# Altium PCB Gesturelink V1.PcbDoc (part 4 of 9)
Units mil, origin at the board's own origin, x right, y up, seen from the top; angles counter-clockwise.
Board outline 1574.8 x 1377.95 mil, 12 copper layers (SIG_1, GND_1, HI_SPEED_SIG_1, HI_SPEED_SIG_2, GND_2, PWR_1, PWR_2, GND_3, SIG_2, SIG_3, GND, SIG_4), stack 76.312 mil thick; 506 components, 440 nets, 2250 pads, 1330 vias.
Unrouted connection lines stored in the file: 20.
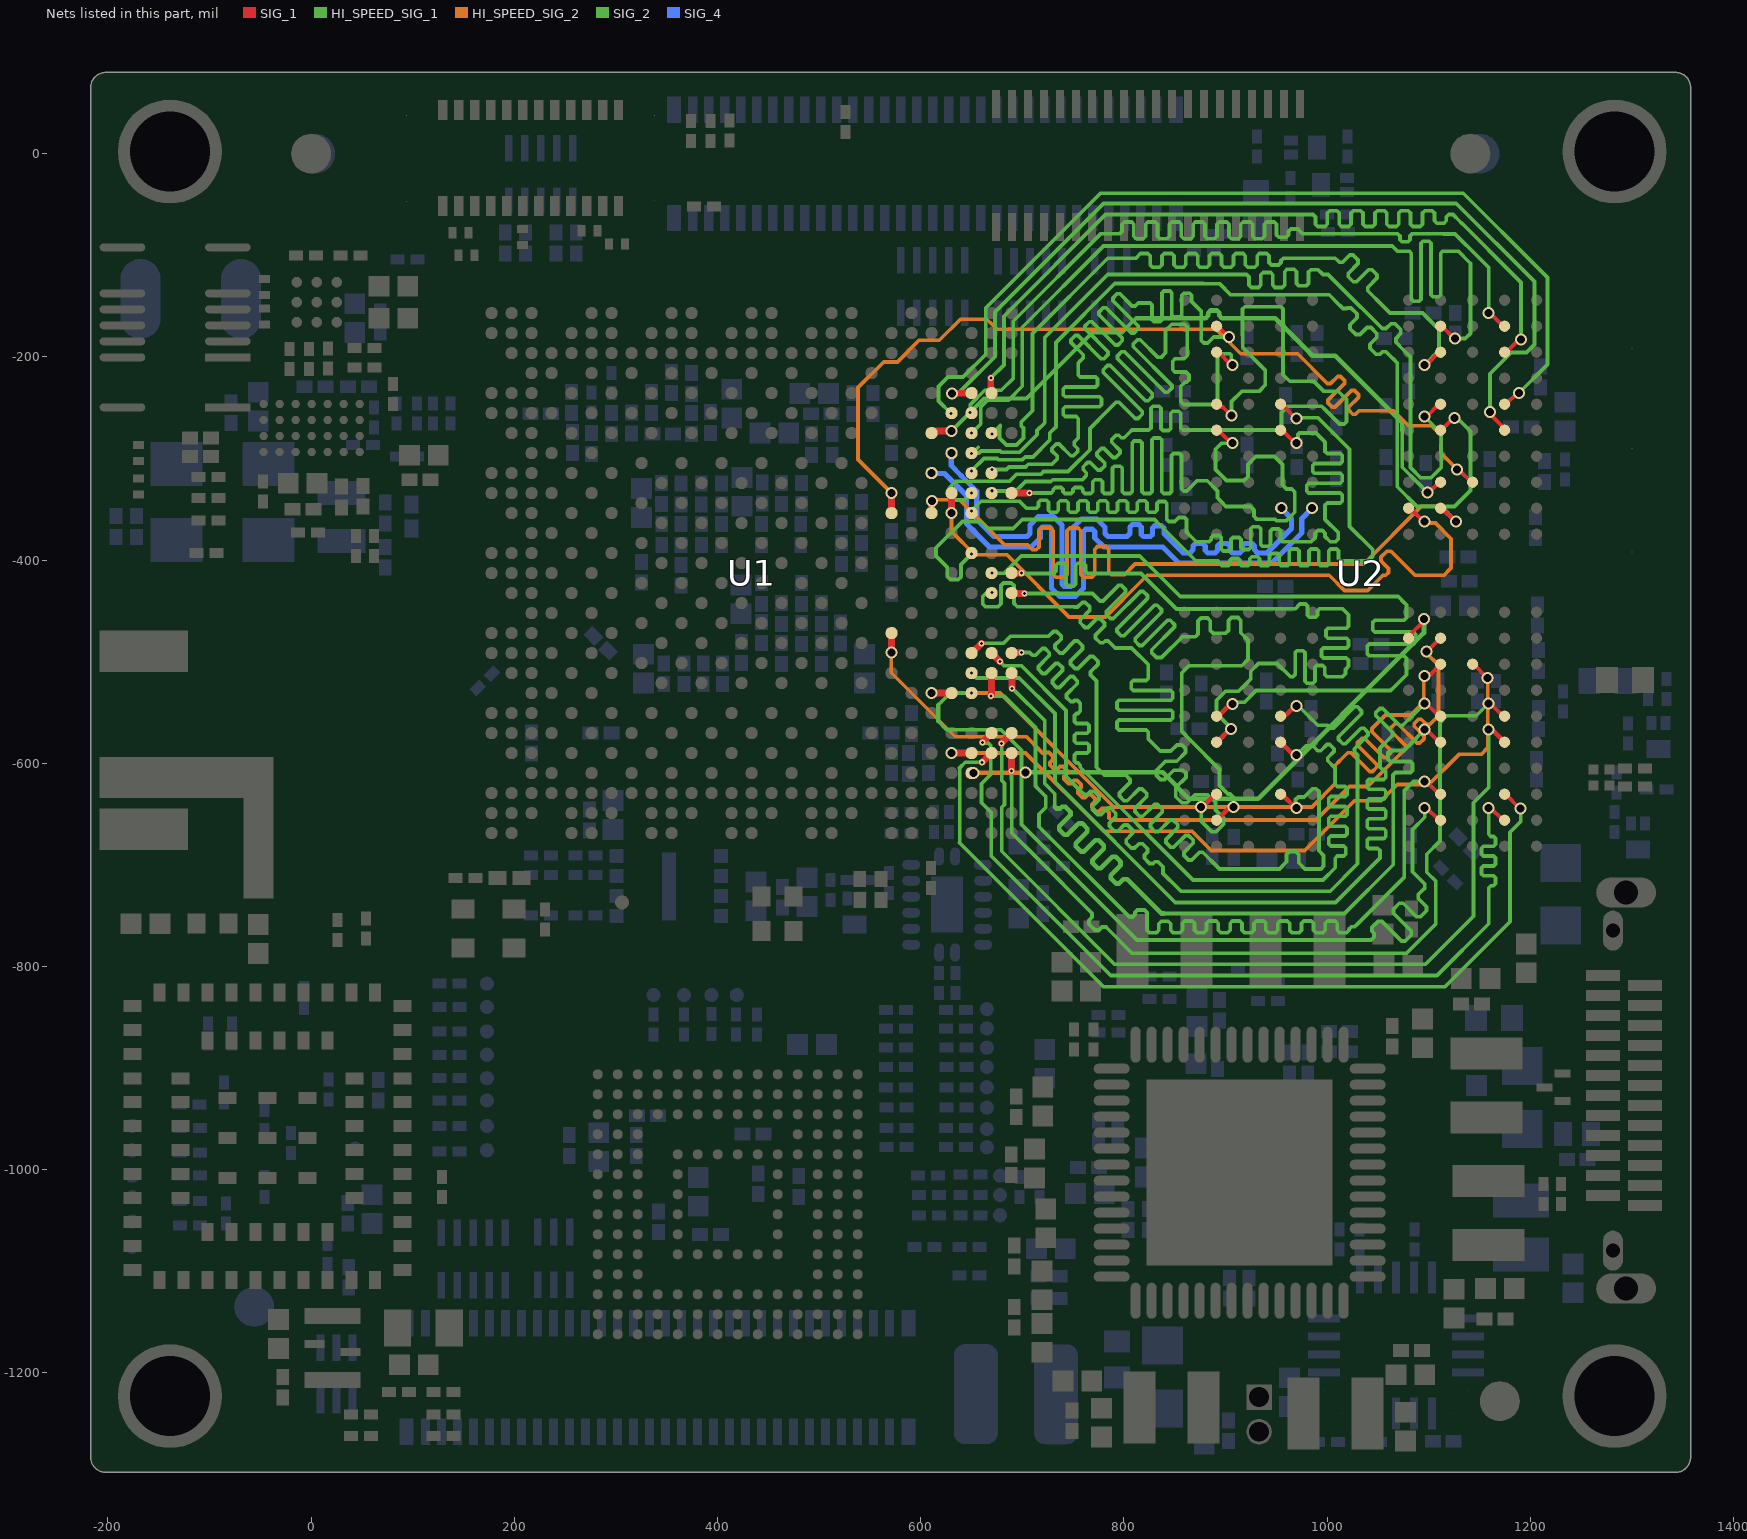
[diagram p14: the nets of this part, all layers, seen from the top]

## Nets (pads, with @x,y where several pads share a name; then routed paths per layer and width w, separated by ;. In a path a pad name is that pad's centre, name@x,y a point inside that pad or via, vN(x,y) a via of type N, cw(c..) or ccw(c..) an arc to the next point about the centre after c; other vN are vias at no path point) (continued)
DDR_CK_B_N: U1.J23 U2.P8 | length 605.3
  SIG_4 w5.12: v6(610,-314.99) 610.17,-314.82 618.97,-314.82 619.05,-314.74 623.3,-314.74 632.71,-324.15 645,-336.44 645,-364.31 650.93,-370.24 661.88,-381.19 667.81,-387.12 699.04,-387.12 708.76,-387.12 717.69,-378.18 717.69,-369.64 719.92,-367.42 726.59,-367.42 728.82,-369.64 728.82,-427.77 736.97,-435.92 752.03,-435.92 760.19,-427.77 760.19,-372.01 762.41,-369.79 769.09,-369.79 771.31,-372.01 771.31,-378.18 780.24,-387.12 800.36,-387.12 838.12,-387.12 847,-395.99 854.12,-403.12 945.19,-403.12 975.11,-373.2 975.11,-359.01 v1(985.13,-348.99)
  other v1: 610.64,-314.41
  other v11: 610,-314.99
  other v19: 610,-314.99
DDR_CK_B_P: U1.H24 U2.P9 | length 652.2
  SIG_4 w5.12: v19(630,-293.99) 630,-307.13 639.86,-316.99 655.12,-332.25 655.12,-360.12 672,-376.99 699.04,-376.99 704.57,-376.99 707.57,-373.99 707.57,-365.45 715.73,-357.29 730.79,-357.29 738.94,-365.45 738.94,-423.58 741.17,-425.8 747.84,-425.8 750.06,-423.58 750.06,-367.82 758.22,-359.67 773.28,-359.67 781.44,-367.82 781.44,-373.99 784.44,-376.99 800.36,-376.99 802.92,-376.99 805.92,-373.99 805.92,-367.41 808.15,-365.18 814.82,-365.18 817.05,-367.41 817.05,-374.77 819.27,-376.99 825.95,-376.99 828.17,-374.77 828.17,-368.6 830.4,-366.37 837.07,-366.37 839.29,-368.6 839.29,-373.99 842.3,-376.99 845.28,-379.96 846.37,-381.05 858.32,-392.99 862.4,-392.99 864.96,-392.99 867.97,-389.99 867.97,-386.1 870.39,-383.68 877.66,-383.68 880.09,-386.1 880.09,-390.57 882.51,-392.99 889.79,-392.99 892.21,-390.57 892.21,-386.1 894.64,-383.68 901.91,-383.68 904.34,-386.1 904.34,-390.57 906.76,-392.99 914.04,-392.99 916.46,-390.57 916.46,-386.1 918.89,-383.68 926.16,-383.68 928.58,-386.1 928.58,-389.99 931.59,-392.99 941,-392.99 941.89,-392.11 964.99,-369.01 964.99,-359.01 v1(954.97,-348.99)
  other v1: 630.32,-294.72
  other v6: 630,-293.99
  other v11: 630,-293.99
DDR_CKE0_A: U1.U21 U2.J4 | length 893.5
  SIG_1 w3.94: v10(1097.76,-490.23) 1098.12,-490.23 1111.38,-476.97 U2.J4@1111.74,-476.97
  SIG_1 w6.69: v1(571,-490.99) 571.13,-490.86 571.13,-472.02 U1.U21@571.27,-471.89
  HI_SPEED_SIG_2 w3.71: v1(571,-490.99) 571,-510.99 634,-573.99 679,-573.99 ; v10(1097.76,-490.23) 1097.76,-491.75 1109.5,-503.49 1109.5,-524.99
  HI_SPEED_SIG_2 w3.75: 679,-573.99 704,-573.99 718.5,-588.49 719.82,-589.82 ; 719.83,-589.82 722.93,-589.82 723.39,-589.36 726.15,-589.36 730.28,-593.49 730.28,-596.25 727.26,-599.27 727.26,-602.03 731.39,-606.16 734.15,-606.16 737.17,-603.14 739.93,-603.14 744.06,-607.28 744.06,-610.03 741.04,-613.06 741.04,-615.81 745.18,-619.95 747.93,-619.95 750.96,-616.93 753.71,-616.93 757.85,-621.06 757.85,-623.82 754.84,-626.83 754.84,-629.58 758.97,-633.72 761.73,-633.72 764.74,-630.71 767.5,-630.71 771.63,-634.84 771.63,-637.6 768.62,-640.61 768.62,-643.37 772.76,-647.5 775.52,-647.5 778.52,-644.49 781.28,-644.49 785.42,-648.63 785.42,-653.8 787.61,-655.99 796,-655.99 989,-655.99 994.5,-650.49 1022,-622.99 1028.76,-622.99 1040,-622.99 1074.75,-588.24 1075.86,-587.13 1077.19,-585.81 1077.19,-582.7 1062.6,-568.12 1062.6,-565.36 1066.74,-561.23 1069.49,-561.23 1088.42,-580.16 1091.18,-580.16 1095.31,-576.02 1095.31,-573.26 1085.66,-563.61 1085.66,-560.86 1089.8,-556.72 1092.56,-556.72 1097.86,-562.03 1100.97,-562.03 1103,-559.99 1109.5,-553.49 1109.5,-524.99
DDR_CKE0_B: U1.L23 U2.P4 | length 809.8
  SIG_1 w4.58: U2.P4@1111.74,-349.02 1112.88,-349.02 1125.86,-361.99 v10(1127,-361.99)
  SIG_1 w6.69: U1.L23@610.64,-353.78 610.81,-353.6 610.81,-342.17 v1(610.99,-341.99)
  HI_SPEED_SIG_2 w3.71: v1@610,-341.99 611.3,-340.69 626.72,-340.69 ; 687,-384.99 705,-384.99 708,-387.99 709.85,-389.84 713.73,-389.84 716.47,-387.1 716.47,-371.19 719.21,-368.44 727.43,-368.44 730.18,-371.19 730.18,-414.12 732.92,-416.86 741.14,-416.86 743.88,-414.12 743.88,-371.19 746.62,-368.44 754.85,-368.44 757.59,-371.19 757.59,-414.12 760.33,-416.86 768.55,-416.86 771.29,-414.12 771.29,-389.52 774.03,-386.78 782.26,-386.78 785,-389.52 785,-411.72 787.74,-414.46 800.53,-414.46 811,-403.99 1036,-403.99 1093,-346.99 1112,-346.99 v10(1127,-361.99)
  HI_SPEED_SIG_2 w3.75: 626.72,-340.69 638.2,-340.69 682.5,-384.99 687,-384.99
DDR_CKE1_A: U1.AD25 U2.J5 | length 562.9
  SIG_1 w3.94: U2.J5@1080.24,-476.97 1080.24,-475.05 1095.27,-460.03 v9(1095.27,-458)
  HI_SPEED_SIG_2 w4.67: v1@650.01,-609.68 650.35,-609.34 702.65,-609.34 v66(703,-608.99)
  SIG_2 w4.67: v66(703,-608.99) 838,-608.99 864,-634.99 932,-634.99 1095.27,-471.73 v9(1095.27,-458)
  other v1: 652.01,-609.68
  other v6: 703,-608.99
  other v11: 703,-608.99
  other v19: 703,-608.99
DDR_CKE1_B: U1.K24 U2.P5 | length 718.7
  SIG_1 w3.94: U2.P5@1080.24,-349.02 1081.63,-349.02 1094.63,-362.01 v10(1096.02,-362.01)
  SIG_1 w6.69: v1(630.29,-353.93) U1.K24@630.32,-334.09
  HI_SPEED_SIG_2 w3.71: v1(630.29,-353.93) 630.29,-372.04 653.08,-394.82 684.83,-394.82 746,-455.99 758,-455.99 782,-455.99 817,-420.99 823,-414.99 1002,-414.99 1017,-429.99 1040,-429.99 1055,-414.99 1057.62,-414.99 1060.36,-412.25 1060.36,-408.37 1053.02,-401.04 1053.02,-397.16 1058.84,-391.34 1062.72,-391.34 1086.37,-414.99 1115,-414.99 1122,-407.99 1122,-400.99 1122,-378.99 1106.57,-363.56 1097.57,-363.56 v10(1096.02,-362.01)
DDR_CS0_A: U1.Y24 U2.H4 | length 762.8
  SIG_1 w3.94: v10(1096,-513.99) 1097.51,-512.49 1101.81,-512.49 U2.H4@1111.74,-502.56
  SIG_1 w6.69: v1(610.64,-530.95) U1.Y24@630.32,-530.94
  HI_SPEED_SIG_2 w3.71: v1(610.64,-530.95) 677.95,-530.95 790,-642.99 985,-642.99 1008,-619.99 1008,-601.99
  HI_SPEED_SIG_2 w3.75: 1008,-601.99 1012.15,-597.85 1013.47,-596.52 1020.37,-589.63 1023.47,-589.63 1041.91,-608.07 1044.67,-608.07 1048.8,-603.94 1048.8,-601.18 1029.92,-582.29 1029.92,-579.54 1034.05,-575.4 1036.81,-575.4 1055.7,-594.29 1058.45,-594.29 1062.59,-590.15 1062.59,-587.4 1044.15,-568.96 1044.15,-565.86 1056,-554.02 1057.32,-552.7 1057.4,-552.62 ; 1057.39,-552.6 1082.39,-552.6 1095,-539.99 1095,-514.99 v10(1096,-513.99)
DDR_CS0_B: U1.G23 U2.R4 | length 658.3
  SIG_1 w3.94: v9(1099.01,-333.75) 1100.21,-333.75 1110.54,-323.43 U2.R4@1111.74,-323.43
  SIG_1 w6.69: U1.G23@610.64,-275.04 611.69,-273.98 615.29,-273.98 616.29,-272.99 v1(630.32,-272.99)
  SIG_2 w3.71: 704,-240.99 769,-175.99 798,-175.99 812,-161.99 ; 1074,-272.49 1074,-308.75 1089.44,-324.19 v9(1099.01,-333.75)
  SIG_2 w3.75: v1(630.32,-272.99) 662.32,-240.99 704,-240.99
  SIG_2 w4.67: 812,-161.99 878,-161.99 880.33,-161.99 883.07,-159.26 883.07,-156.62 885.2,-154.49 891.6,-154.49 893.74,-156.62 893.74,-159.26 896.47,-161.99 904,-161.99 949,-161.99 986,-198.99 1008,-198.99 1074,-264.99 1074,-272.49
DDR_CS1_A: U1.AC25 U2.H3 | length 718.7
  SIG_1 w3.94: U2.H3@1143.24,-502.56 1143.88,-502.56 1157.36,-516.04 v10(1158,-516.04)
  SIG_1 w6.69: v1(630.13,-589.89) 630.18,-589.95 U1.AC25@650.01,-590 U1.AC25@650.01,-590
  HI_SPEED_SIG_2 w3.71: v1(630.13,-589.89) 692,-589.89 ; 1158,-584.99 v10(1158,-516.04)
  HI_SPEED_SIG_2 w3.75: 692,-589.89 703.15,-589.89 780.26,-666.99 867,-666.99 886,-685.99 978,-685.99 1027,-636.99 1053,-636.99 1069,-620.99 1100,-620.99 1129.72,-591.27 1151.72,-591.27 1158,-584.99
DDR_CS1_B: U1.L21 U2.R3 | length 928.2
  SIG_1 w3.94: v10(1128,-310.99) 1129.4,-310.99 1141.83,-323.43 U2.R3@1143.24,-323.43
  SIG_1 w6.69: U1.L21@571.27,-353.78 v1(571.27,-334.09)
  HI_SPEED_SIG_2 w3.71: 538.34,-230.18 538.34,-301.17 v1(571.27,-334.09) ; 670.86,-168.85 675,-172.99 891,-172.99 915,-196.99 971,-196.99 999,-224.99 1000.31,-226.3 1003.38,-226.3 1010.36,-219.32 1013.11,-219.32 1017.23,-223.44 1017.23,-226.19 1000.82,-242.59 1000.82,-245.34 1004.94,-249.46 1007.68,-249.46 1024.09,-233.05 1026.84,-233.05 1030.95,-237.17 1030.95,-239.91 1021.15,-249.72 1021.15,-252.46 1025.27,-256.58 1028.01,-256.58 1031.6,-252.99 1042.85,-252.99 1065,-252.99 1079.76,-267.75 1102.73,-267.75 1112.24,-277.27 1112.24,-286.49 ; 1112,-286.49 1112,-294.99 v10(1128,-310.99)
  HI_SPEED_SIG_2 w3.75: 538.34,-230.18 563.54,-204.99 577,-204.99 598.22,-183.77 618.22,-183.77 639,-162.99 665,-162.99 670.86,-168.85
DDR_DQ0_A: U1.AB26 U2.B2 | length 888.5
  SIG_1 w3.94: v5(1159.01,-643.99) 1160.81,-643.99 1172.93,-656.1 U2.B2@1174.73,-656.1
  SIG_1 w6.69: v4(660.73,-579.57) 660.73,-579.28 U1.AB26@669.69,-570.31
  HI_SPEED_SIG_1 w3.71: v4(660.73,-579.57) 661.17,-580.01 666.47,-580.01 668.97,-582.51 668.97,-611.02 659.72,-620.27 659.72,-638.99 669.5,-648.77 669.5,-691.49 787,-808.99 1108,-808.99 1159.01,-757.98 1159.01,-733.94 1159.01,-722.72 1161.18,-720.55 1163.89,-720.55 1165.83,-718.61 1165.83,-712.78 1163.89,-710.84 1153.93,-710.84 1151.99,-708.9 1151.99,-703.08 1153.93,-701.13 1163.89,-701.13 1165.83,-699.19 1165.83,-693.37 1163.89,-691.43 1153.93,-691.43 1151.99,-689.49 1151.99,-683.66 1153.93,-681.72 1163.89,-681.72 1165.84,-679.78 1165.84,-673.96 1163.89,-672.02 1161.18,-672.02 1159.01,-669.85 1159.01,-667.99 v5(1159.01,-643.99)
  other v3: 660.73,-579.57
DDR_DQ0_B: U1.F25 U2.AA2 | length 905.6
  SIG_1 w3.94: v5(1159,-156.99) 1160.42,-156.99 1173.31,-169.88 U2.AA2@1174.73,-169.88
  HI_SPEED_SIG_1 w3.71: 777,-78.99 793.77,-78.99 795.62,-78.99 797.97,-76.65 797.97,-69.54 800.31,-67.2 807.33,-67.2 809.67,-69.54 809.67,-81.42 812.01,-83.77 819.04,-83.77 821.38,-81.42 821.38,-69.54 823.72,-67.2 830.74,-67.2 833.09,-69.54 833.09,-81.42 835.43,-83.77 842.45,-83.77 844.79,-81.42 844.79,-69.54 847.13,-67.2 854.16,-67.2 856.5,-69.54 856.5,-81.42 858.84,-83.77 865.87,-83.77 868.21,-81.42 868.21,-69.54 870.55,-67.2 877.57,-67.2 879.91,-69.54 879.91,-81.42 882.26,-83.77 889.28,-83.77 891.62,-81.42 891.62,-69.54 893.96,-67.2 900.99,-67.2 903.33,-69.54 903.33,-81.42 905.67,-83.77 912.69,-83.77 915.04,-81.42 915.04,-69.54 917.38,-67.2 924.4,-67.2 926.74,-69.54 926.74,-81.42 929.08,-83.77 936.11,-83.77 938.45,-81.42 938.45,-69.54 940.79,-67.2 947.81,-67.2 950.16,-69.54 950.16,-79.96 952.5,-82.3 959.52,-82.3 961.86,-79.96 961.86,-76.65 964.2,-74.31 971.23,-74.31 973.57,-76.65 975.91,-78.99 982,-78.99 1058,-78.99 1069.56,-78.99 1071.73,-81.16 1071.73,-84.87 1073.67,-86.81 1079.5,-86.81 1081.44,-84.87 1081.44,-81.16 1083.61,-78.99 1102.28,-78.99 1114.94,-78.99 ; 1149.84,-103.05 1159,-112.21 v5(1159,-156.99)
  HI_SPEED_SIG_1 w3.75: v3(648.69,-254.99) 648.95,-254.73 648.95,-247.04 663,-232.99 679.29,-232.99 691,-221.28 691,-164.99 777,-78.99 ; 1114.94,-78.99 1125.78,-78.99 1149.84,-103.05
  other v4: 648.69,-254.99
DDR_DQ1_A: U1.AC26 U2.C2 | length 875.6
  SIG_1 w3.94: U2.C2@1174.73,-630.51 1175.7,-630.51 1189.53,-644.34 v5(1190.5,-644.34)
  SIG_1 w6.69: v4(660.12,-599.1) 669.22,-590 U1.AC26@669.69,-590
  HI_SPEED_SIG_1 w3.71: 638.25,-678.24 780,-819.99 1116,-819.99 1180,-755.99 1180,-709.99 1180,-696.45 1180,-667.99 1190.5,-657.5 v5(1190.5,-644.34) ; 638.38,-678.24 638.38,-604.94 638.25,-604.81 638.25,-604.74 643.89,-599.1 v4(660.12,-599.1)
  other v3: 660.12,-599.1
DDR_DQ1_B: U1.E26 U2.Y2 | length 876.2
  SIG_1 w3.94: U2.Y2@1174.73,-195.47 1176.54,-195.47 1189.02,-182.99 v5(1190.83,-182.99)
  SIG_1 w6.69: v3(669,-220.99) 669,-234.98 U1.E26@669.35,-235.32
  HI_SPEED_SIG_1 w3.71: v3(669,-220.99) 682,-207.99 682,-159.99 782,-59.99 815,-59.99 972.59,-59.99 986.15,-59.99 988.49,-62.33 988.49,-69.44 990.83,-71.79 997.85,-71.79 1000.2,-69.44 1000.2,-58.54 1002.54,-56.2 1009.56,-56.2 1011.9,-58.54 1011.9,-69.44 1014.24,-71.79 1021.27,-71.79 1023.61,-69.44 1023.61,-58.54 1025.95,-56.2 1032.97,-56.2 1035.32,-58.54 1035.32,-69.44 1037.66,-71.79 1044.68,-71.79 1047.02,-69.44 1047.02,-58.54 1049.36,-56.2 1056.39,-56.2 1058.73,-58.54 1058.73,-69.44 1061.07,-71.79 1068.1,-71.79 1070.44,-69.44 1070.44,-58.54 1072.78,-56.2 1079.8,-56.2 1082.14,-58.54 1082.14,-69.44 1084.49,-71.79 1091.51,-71.79 1093.85,-69.44 1093.85,-58.54 1096.19,-56.2 1103.22,-56.2 1105.56,-58.54 1105.56,-66.18 1107.9,-68.52 1114.92,-68.52 1117.27,-66.18 1117.27,-62.33 1119.61,-59.99 1124,-59.99 1125.33,-61.32 1129.13,-65.12 ; 1133.13,-69.12 1184,-119.99 1190.83,-126.83 v5(1190.83,-182.99)
  HI_SPEED_SIG_1 w3.75: 1129.13,-65.12 1133.13,-69.12
  other v4: 669,-220.99
DDR_DQ2_A: U1.AB27 U2.E2 | length 864.6
  SIG_1 w4.58: v5@1158,-566.99 1159.38,-568.38 1163.78,-568.38 U2.E2@1174.73,-579.33
  SIG_1 w6.69: v3(679.54,-580.61) 679.54,-580.16 U1.AB27@689.38,-570.31
  HI_SPEED_SIG_1 w3.71: v3(679.54,-580.61) 679.67,-580.74 679.67,-595.67 679.67,-616.99 682.45,-619.78 682.45,-640.54 679.67,-643.33 679.67,-664.99 679.67,-686.66 791,-797.99 1096.65,-797.99 1144,-750.65 1144,-638.99 1159,-623.99 v5(1159,-566.99)
  other v4: 679.54,-580.61
DDR_DQ2_B: U1.F24 U2.V2 | length 915.4
  SIG_1 w3.94: U2.V2@1174.73,-246.65 1176.25,-246.65 1187.48,-235.43 v5(1189,-235.43)
  HI_SPEED_SIG_1 w3.71: v4(630,-255.99) 617.45,-243.44 617.45,-229.24 626.7,-219.99 641.62,-219.99 664,-197.61 664,-151.99 777,-38.99 801,-38.99 1134,-38.99 1208.5,-113.49 1217,-121.99 1217,-207.43 v5(1189,-235.43)
  other v3: 630,-255.99
DDR_DQ3_A: U1.AC27 U2.F2 | length 854.1
  SIG_1 w3.94: v5(1159,-540.99) 1160.49,-540.99 1173.24,-553.74 U2.F2@1174.73,-553.74
  SIG_1 w6.69: U1.AC27@689.38,-590 689.38,-592.47 689.45,-592.55 689.45,-607.63 v3@689.56,-607.73
  HI_SPEED_SIG_1 w3.71: v3(689.45,-607.84) 689.45,-616.4 689.66,-616.6 689.66,-624.69 689.66,-668.65 712.47,-691.46 768.66,-747.66 768.66,-751.53 765.64,-754.56 765.64,-758.44 771.45,-764.25 775.33,-764.25 778.36,-761.23 782.23,-761.23 783.54,-762.54 808,-786.99 1078,-786.99 1107,-757.99 1107,-716.24 1098,-707.24 1098,-689.63 1111.14,-676.49 1111.14,-559.92 1117.8,-553.25 1146.74,-553.25 1153.15,-546.84 v5(1159,-540.99)
  other v4: 689.45,-607.84
DDR_DQ3_B: U1.E25 U2.U2 | length 906.7
  SIG_1 w3.94: v5(1160.31,-254.5) 1160.31,-256.17 1174.73,-270.58 U2.U2@1174.73,-272.24
  SIG_1 w6.69: v5(630.67,-236.02) 630.84,-235.84 U1.E25@649.83,-235.84
  HI_SPEED_SIG_1 w3.71: v5(630.67,-236.02) 631.92,-234.77 638.22,-234.77 673,-199.99 673,-155.99 780,-48.99 1127,-48.99 1204,-125.99 1204,-187.87 1196.12,-195.75 1181.24,-195.75 1160.31,-216.68 v5(1160.31,-254.5)
DDR_DQ4_A: U1.W25 U2.F4 | length 921.1
  SIG_1 w3.94: v5(1096,-540.99) 1097.5,-540.99 1110.24,-553.74 U2.F4@1111.74,-553.74
  HI_SPEED_SIG_1 w3.71: 1052,-693.24 1052,-687.9 1052,-686.04 1049.83,-683.87 1041.31,-683.87 1039.37,-681.93 1039.37,-676.11 1041.31,-674.17 1055.83,-674.17 1057.77,-672.23 1057.77,-666.4 1055.83,-664.46 1041.31,-664.46 1039.37,-662.52 1039.37,-656.7 1041.31,-654.75 1055.83,-654.75 1057.77,-652.81 1057.77,-646.99 1055.83,-645.05 1041.31,-645.05 1039.37,-643.11 1039.37,-637.28 1041.31,-635.34 1055.82,-635.34 1057.77,-633.4 1057.77,-627.58 1055.82,-625.64 1041.31,-625.64 1039.37,-623.69 1039.37,-617.87 1041.31,-615.93 1055.74,-615.93 1057.68,-613.99 1057.68,-608.16 1055.74,-606.22 1054.17,-606.22 1052,-604.05 1052,-599.98 1052,-589.39
  HI_SPEED_SIG_1 w3.75: v3(650.01,-511.26) 654.77,-516.02 697.03,-516.02 732,-550.99 732,-618.56 850.43,-736.99 959.14,-736.99 996,-736.99 1008.25,-736.99 1052,-693.24 ; 1052,-589.39 1052,-584.99 1063.07,-573.93 1064.39,-572.6 1064.39,-569.5 1047.89,-553 1047.89,-550.24 1052.03,-546.11 1054.78,-546.11 1071.28,-562.61 1074.39,-562.61 1084,-552.99 1093.84,-543.15 1094.92,-542.07 v5(1096,-540.99)
  other v4: 650.01,-511.26
DDR_DQ4_B: U1.J25 U2.U4 | length 932.4
  SIG_1 w3.94: U2.U4@1111.74,-272.24 1112.65,-272.24 1124.46,-260.43 v5(1125.37,-260.43)
  HI_SPEED_SIG_1 w3.71: 675,-299.99 676.22,-301.21 700.22,-301.21 702.85,-298.58 710.41,-298.58 726.97,-282.02 ; 878,-127.99 894,-127.99 905,-138.99 1002,-138.99 1010.5,-147.49 ; 1069,-271.99 1069,-327.99 1088.46,-347.46 1125.34,-347.46 1141.22,-331.57
  HI_SPEED_SIG_1 w3.75: v3(650,-312.18) 662.19,-299.99 675,-299.99 ; 726.97,-282.02 726.97,-275.02 729.95,-272.05 733,-268.99 733,-185.99 791,-127.99 878,-127.99 ; 1010.5,-147.49 1014.03,-151.02 1015.35,-152.34 1019.24,-152.34 1019.73,-151.86 1023.61,-151.86 1029.45,-157.69 1029.45,-161.58 1022.57,-168.45 1022.57,-172.34 1028.4,-178.17 1032.29,-178.17 1039.17,-171.3 1043.06,-171.3 1048.89,-177.13 1048.89,-181.02 1042.21,-187.69 1042.21,-191.58 1048.04,-197.41 1051.93,-197.41 1054.23,-195.11 1058.12,-195.11 1063.51,-200.5 1064.83,-201.82 1069,-205.99 1069,-271.99 ; v5(1125.37,-260.43) 1127.31,-260.43 1130.24,-263.35 1131.36,-263.35 1141.22,-273.21 1141.22,-331.57
  other v4: 650,-312.18
DDR_DQ5_A: U1.W27 U2.E4 | length 894.6
  SIG_1 w3.94: v5(1096,-566.99) 1097.7,-566.99 1110.04,-579.33 U2.E4@1111.74,-579.33
  SIG_1 w6.69: U1.W27@689.38,-511.26 689.69,-511.57 689.69,-526.03 v3(690,-526.34)
  HI_SPEED_SIG_1 w3.75: v3(690,-526.34) 690.35,-526.34 722,-557.99 722,-620.06 731.94,-630 731.94,-642.94 ; 839.74,-747.99 1017,-747.99 1065,-699.99 1065,-624.51 ; 1088,-574.99 v5(1096,-566.99)
  HI_SPEED_SIG_1 w3.94: 1065,-624.51 1065,-611.6 1067.31,-609.29 1081.97,-609.29 1084.16,-607.11 1084.16,-600.54 1081.97,-598.36 1062.28,-598.36 1060.09,-596.17 1060.09,-589.61 1062.28,-587.42 1075.57,-587.42 1088,-574.99
  HI_SPEED_SIG_1 w4.63: 731.94,-642.94 733.58,-644.57 737.41,-644.57 739.11,-642.88 742.39,-642.88 747.33,-647.82 747.33,-651.1 736.21,-662.22 736.21,-665.51 741.14,-670.45 744.43,-670.45 755.55,-659.33 758.84,-659.33 763.77,-664.26 763.77,-667.55 752.65,-678.67 752.65,-681.96 757.59,-686.89 760.88,-686.89 771.99,-675.77 775.28,-675.77 780.22,-680.7 780.22,-683.99 769.1,-695.11 769.1,-698.4 774.03,-703.33 777.32,-703.33 788.44,-692.22 791.73,-692.22 796.66,-697.15 796.66,-700.44 786.94,-710.16 786.94,-713.45 791.87,-718.39 795.16,-718.39 799.36,-714.18 803.19,-714.18 837,-747.99 839.74,-747.99
  other v4: 690,-526.34
DDR_DQ5_B: U1.H25 U2.V4 | length 921.2
  SIG_1 w3.94: v5(1096,-258.99) 1097.7,-258.99 1110.04,-246.65 U2.V4@1111.74,-246.65
  HI_SPEED_SIG_1 w3.71: v4(650,-294.99) 650.44,-294.55 657.4,-294.55 659.19,-292.77 677.99,-292.77 679.23,-294 697.23,-294 714.5,-276.74 714.5,-272.49 ; 1049.35,-167.34 1052.9,-170.89 1054.21,-172.2 1058.08,-172.2 1062.82,-167.46 1066.7,-167.46 1072.51,-173.28 1072.51,-177.15 1067.78,-181.89 1067.78,-185.77 1075.5,-193.49 1082,-199.99 ; 1082,-292.51 1082,-308.99 1092,-318.99 1102.23,-318.99 1112.23,-308.99
  HI_SPEED_SIG_1 w3.75: v4(650,-294.99) 650.56,-294.99 656.56,-288.99 ; 714.5,-272.49 722,-264.99 722,-180.99 784,-118.99 907,-118.99 920.62,-118.99 922.97,-121.34 922.97,-129.42 925.32,-131.77 932.37,-131.77 934.72,-129.42 934.72,-119.23 937.07,-116.88 944.11,-116.88 946.46,-119.23 946.46,-129.42 948.81,-131.77 955.86,-131.77 958.21,-129.42 958.21,-116.25 960.56,-113.9 967.61,-113.9 969.96,-116.25 969.96,-127.8 972.31,-130.15 979.36,-130.15 981.71,-127.8 981.71,-116.64 984.05,-114.29 991.1,-114.29 993.45,-116.64 995.8,-118.99 1001,-118.99 1018.58,-136.58 1049.35,-167.34 ; 1082,-292.51 1082,-199.99 ; v5(1096,-258.99) 1112.23,-275.22 1112.23,-308.99